# Altium PCB balenaFin_v1_x_x.PcbDoc (part 1 of 7) (continued)
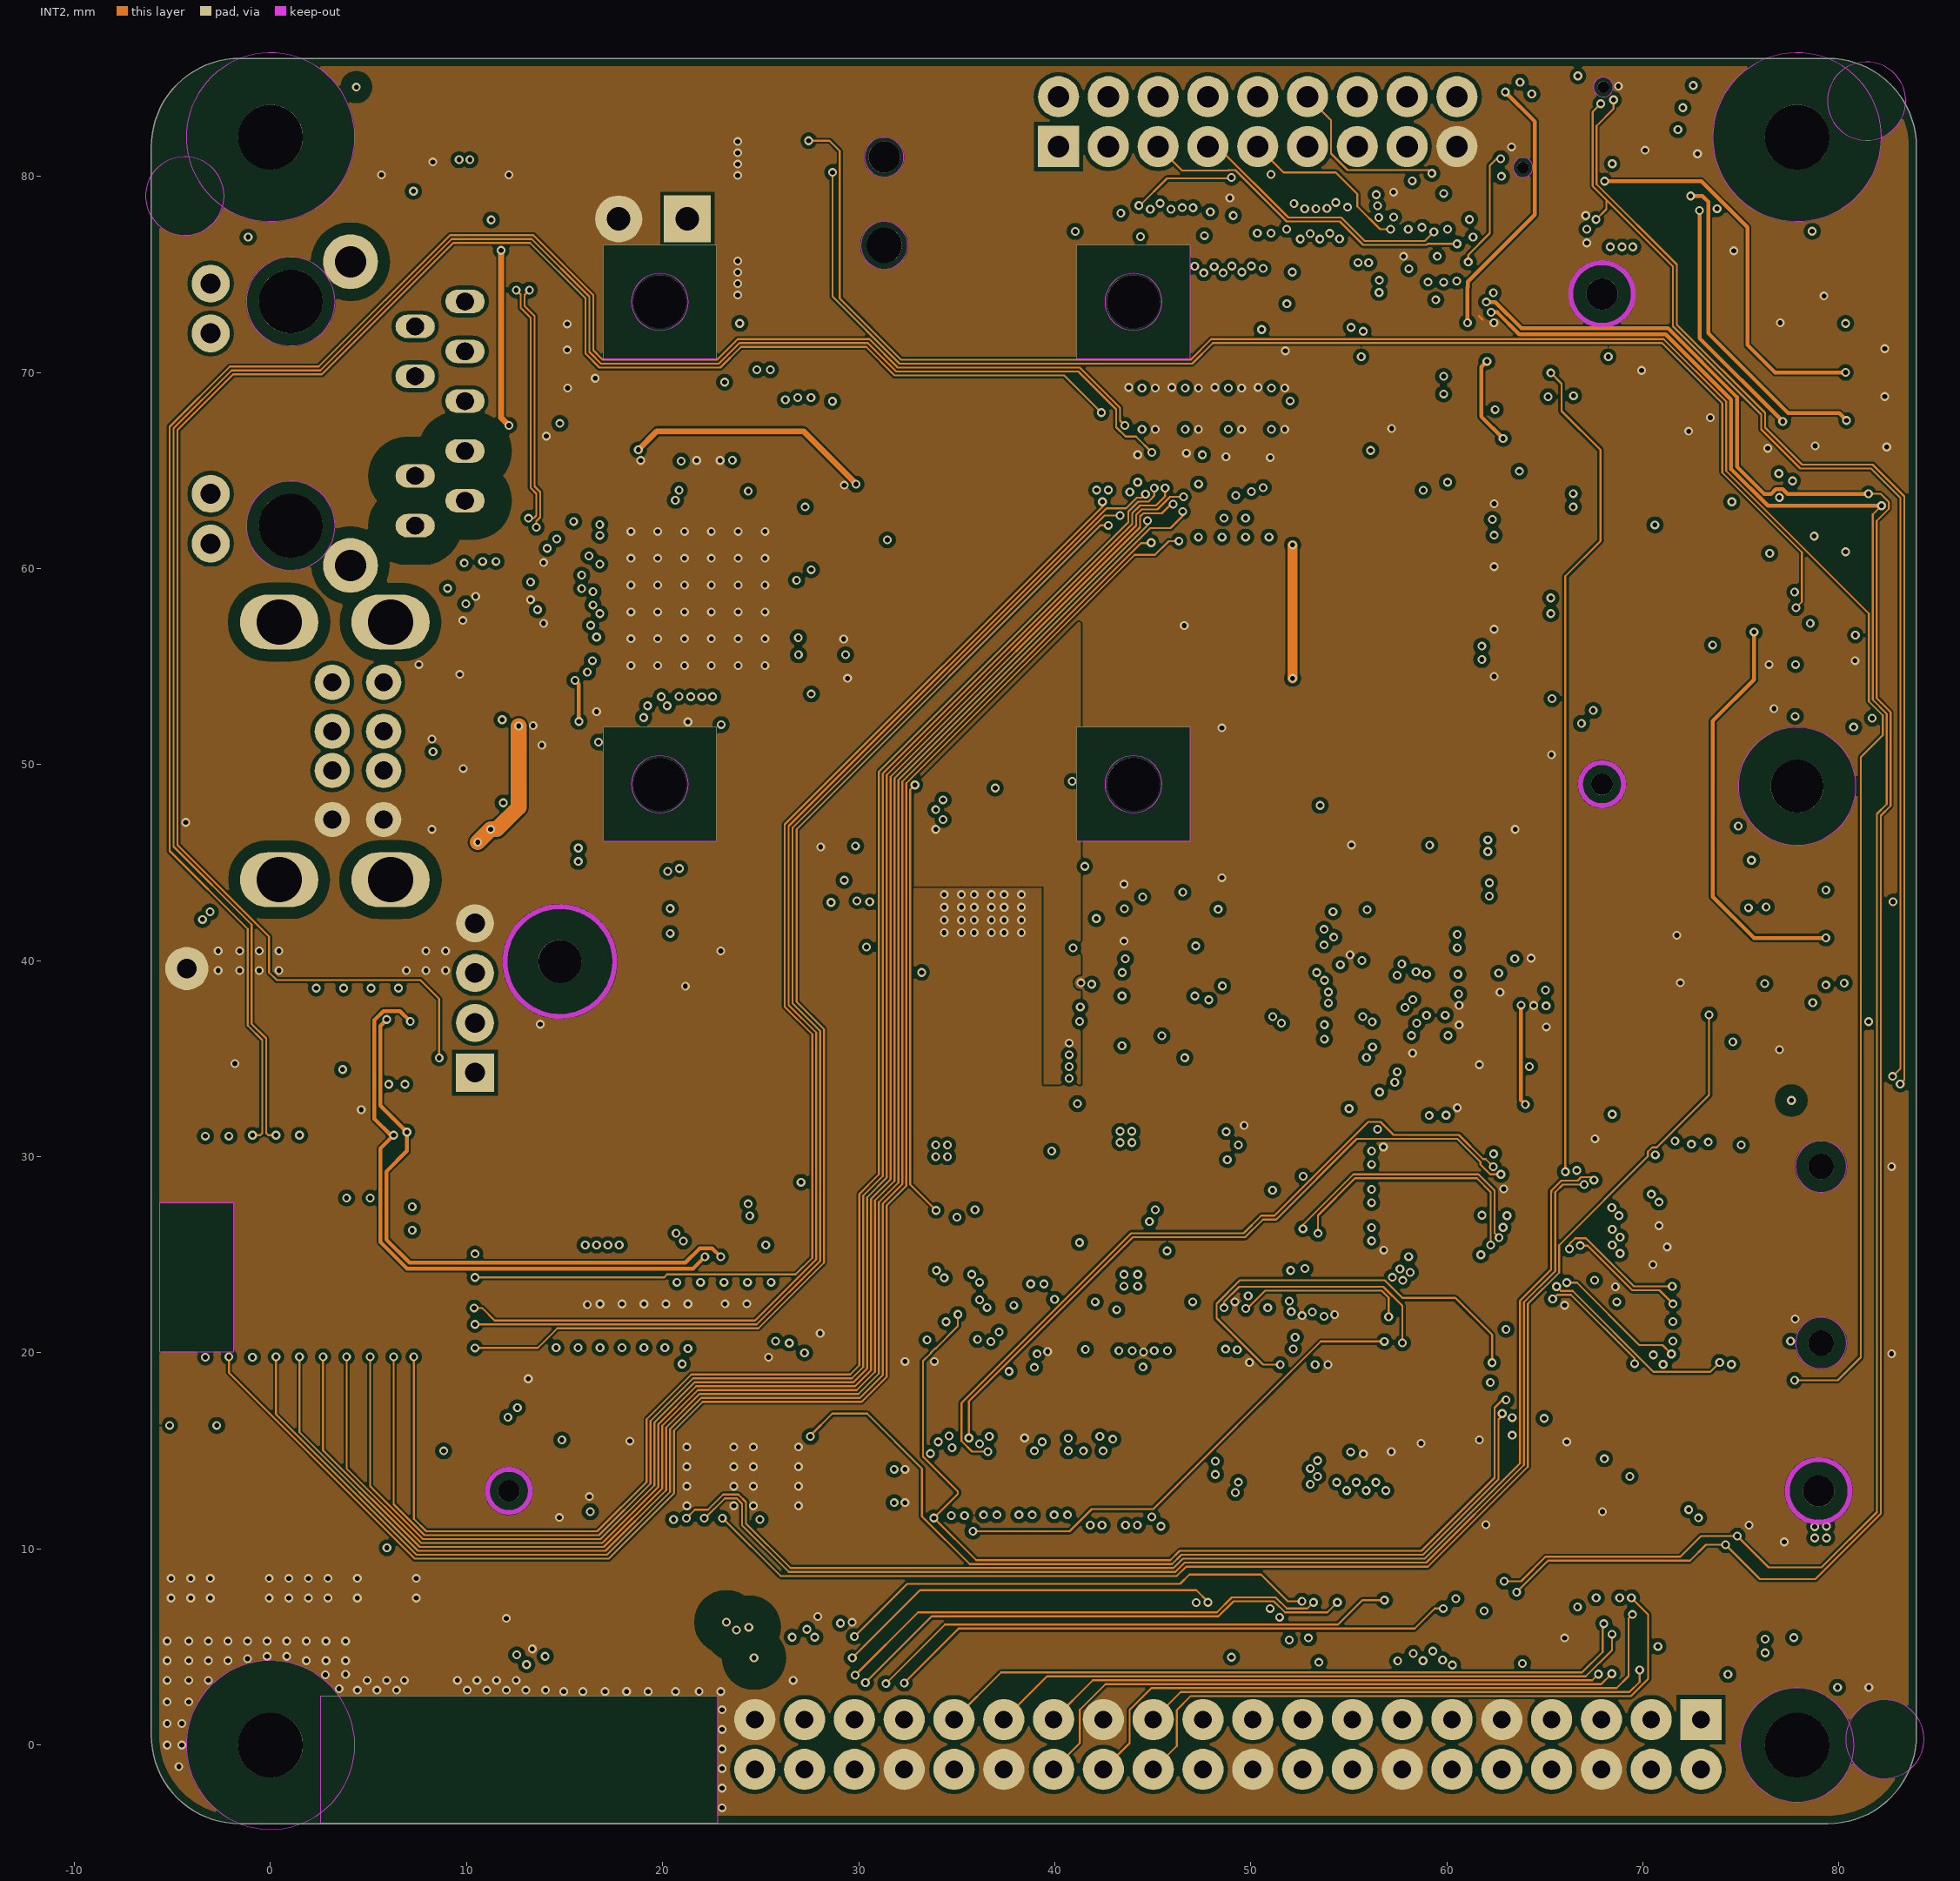
[diagram p4: INT2]
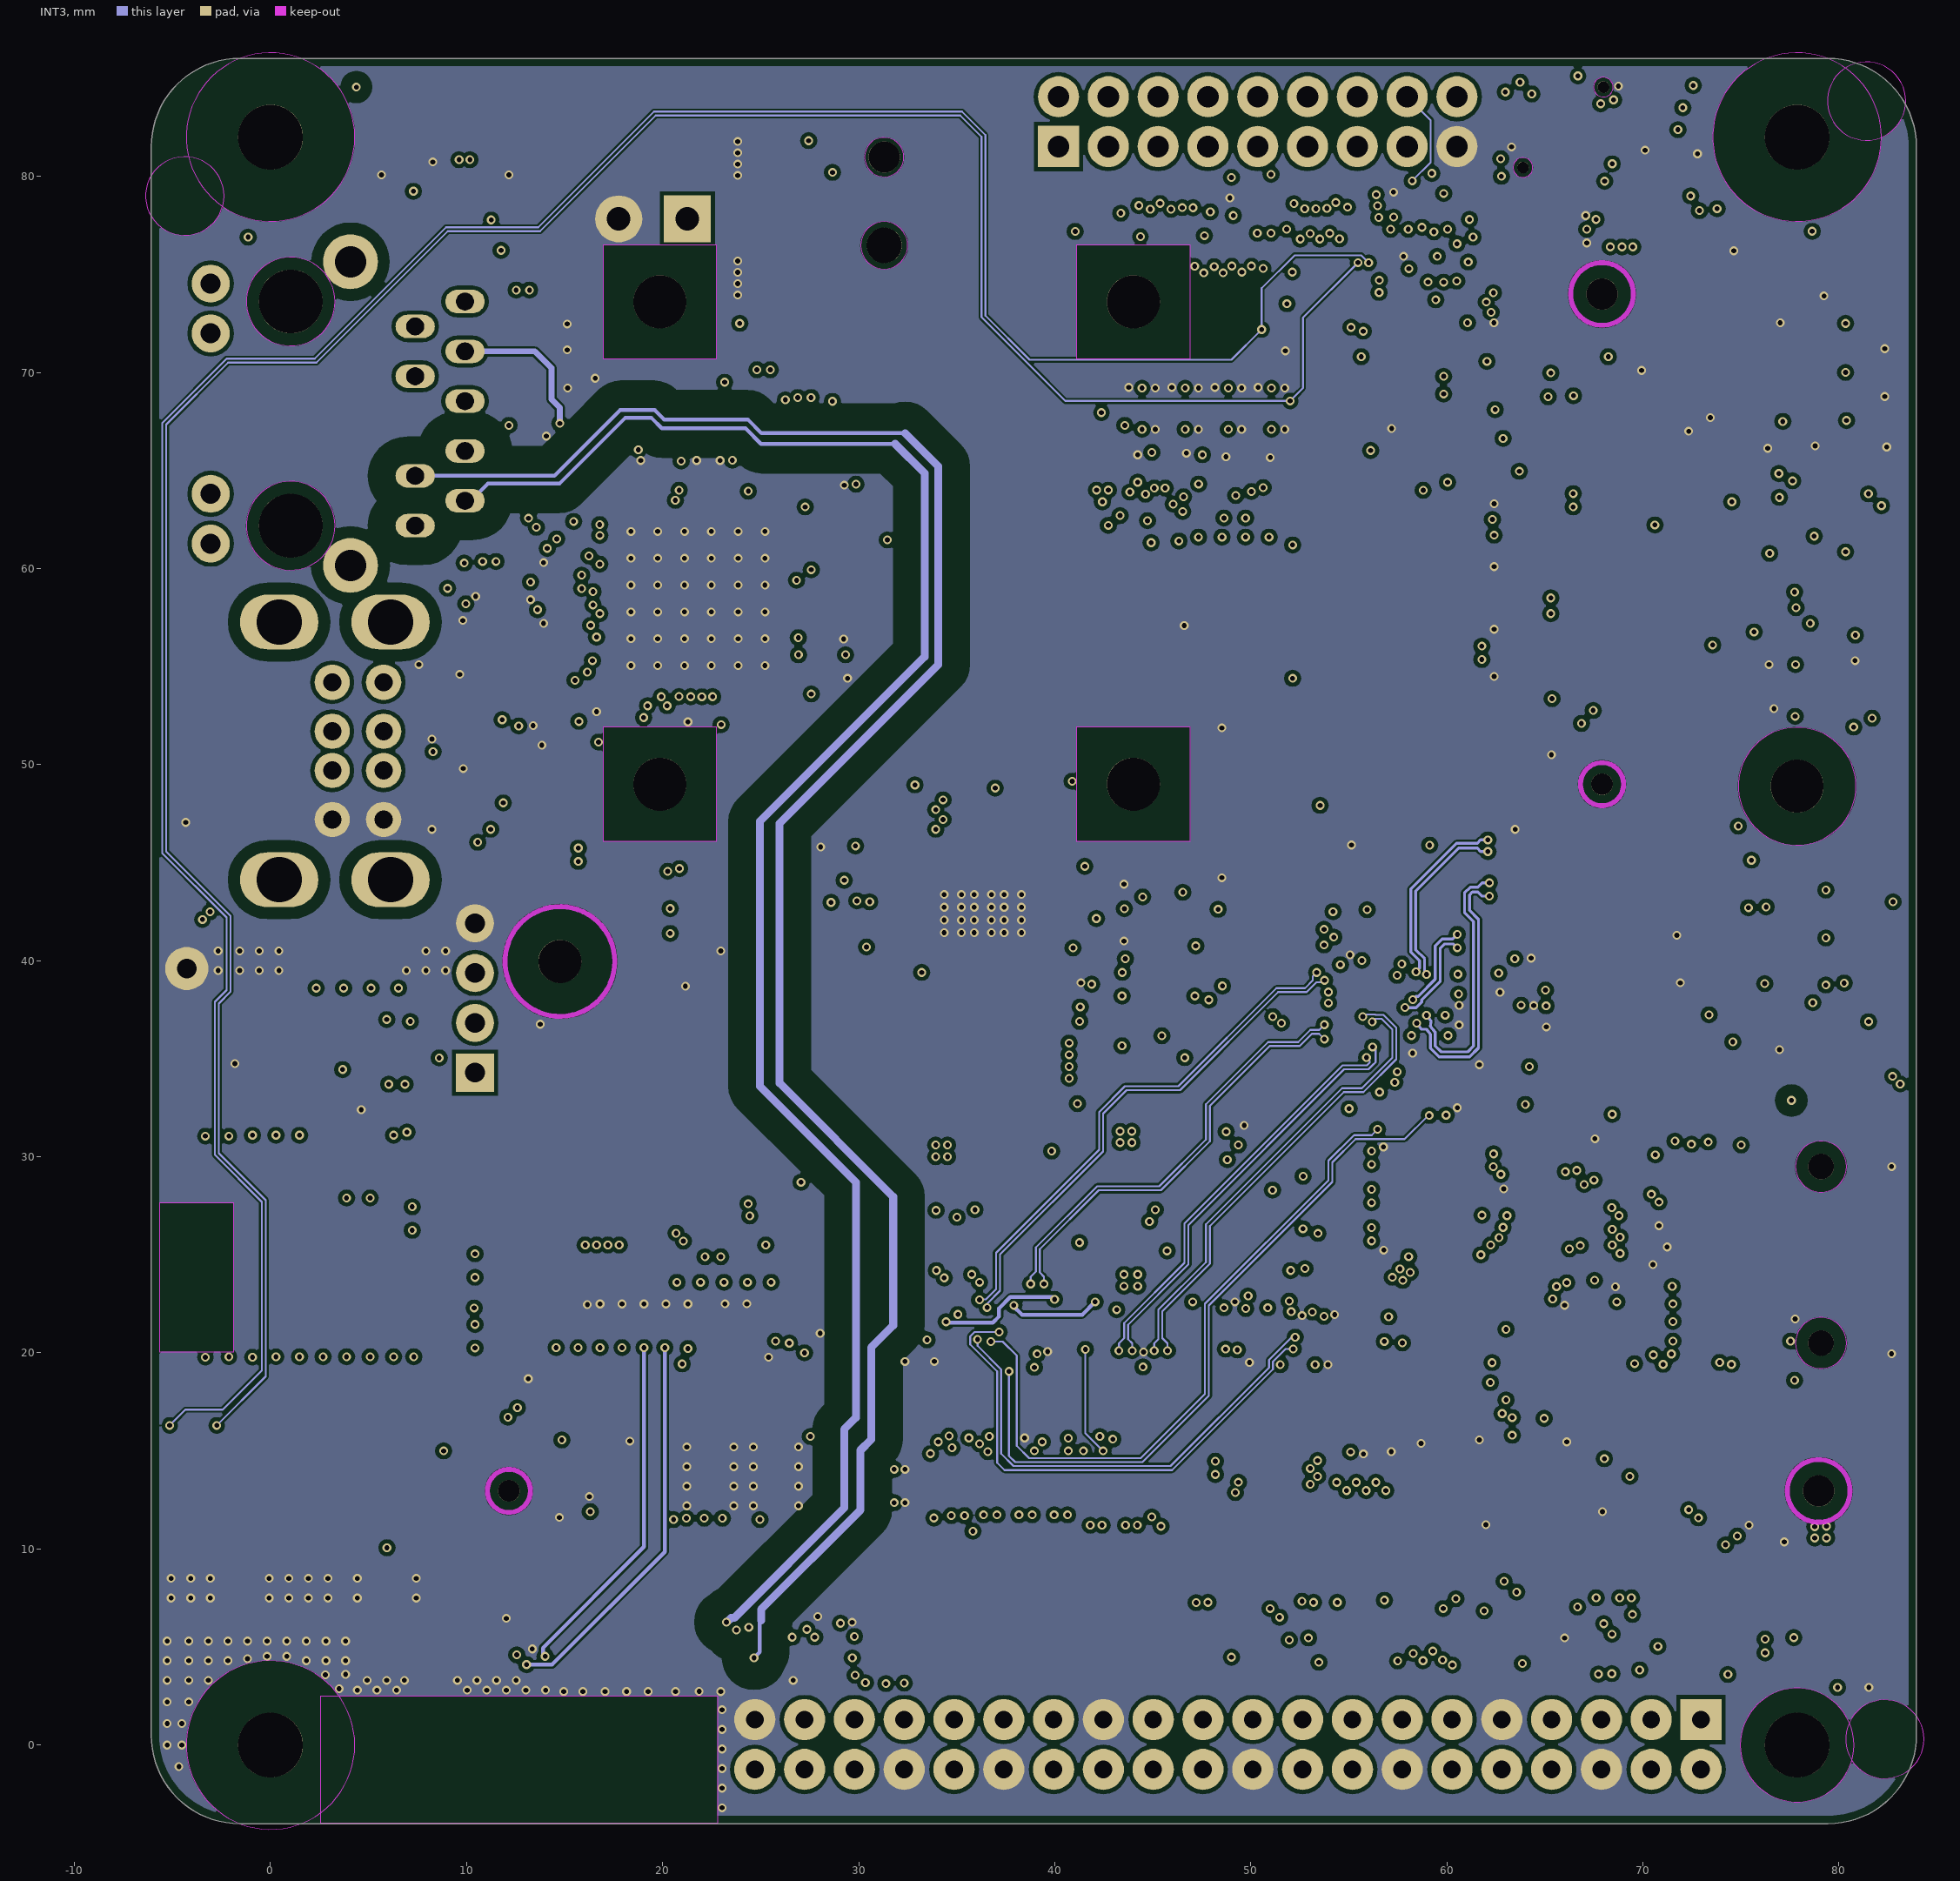
[diagram p5: INT3]
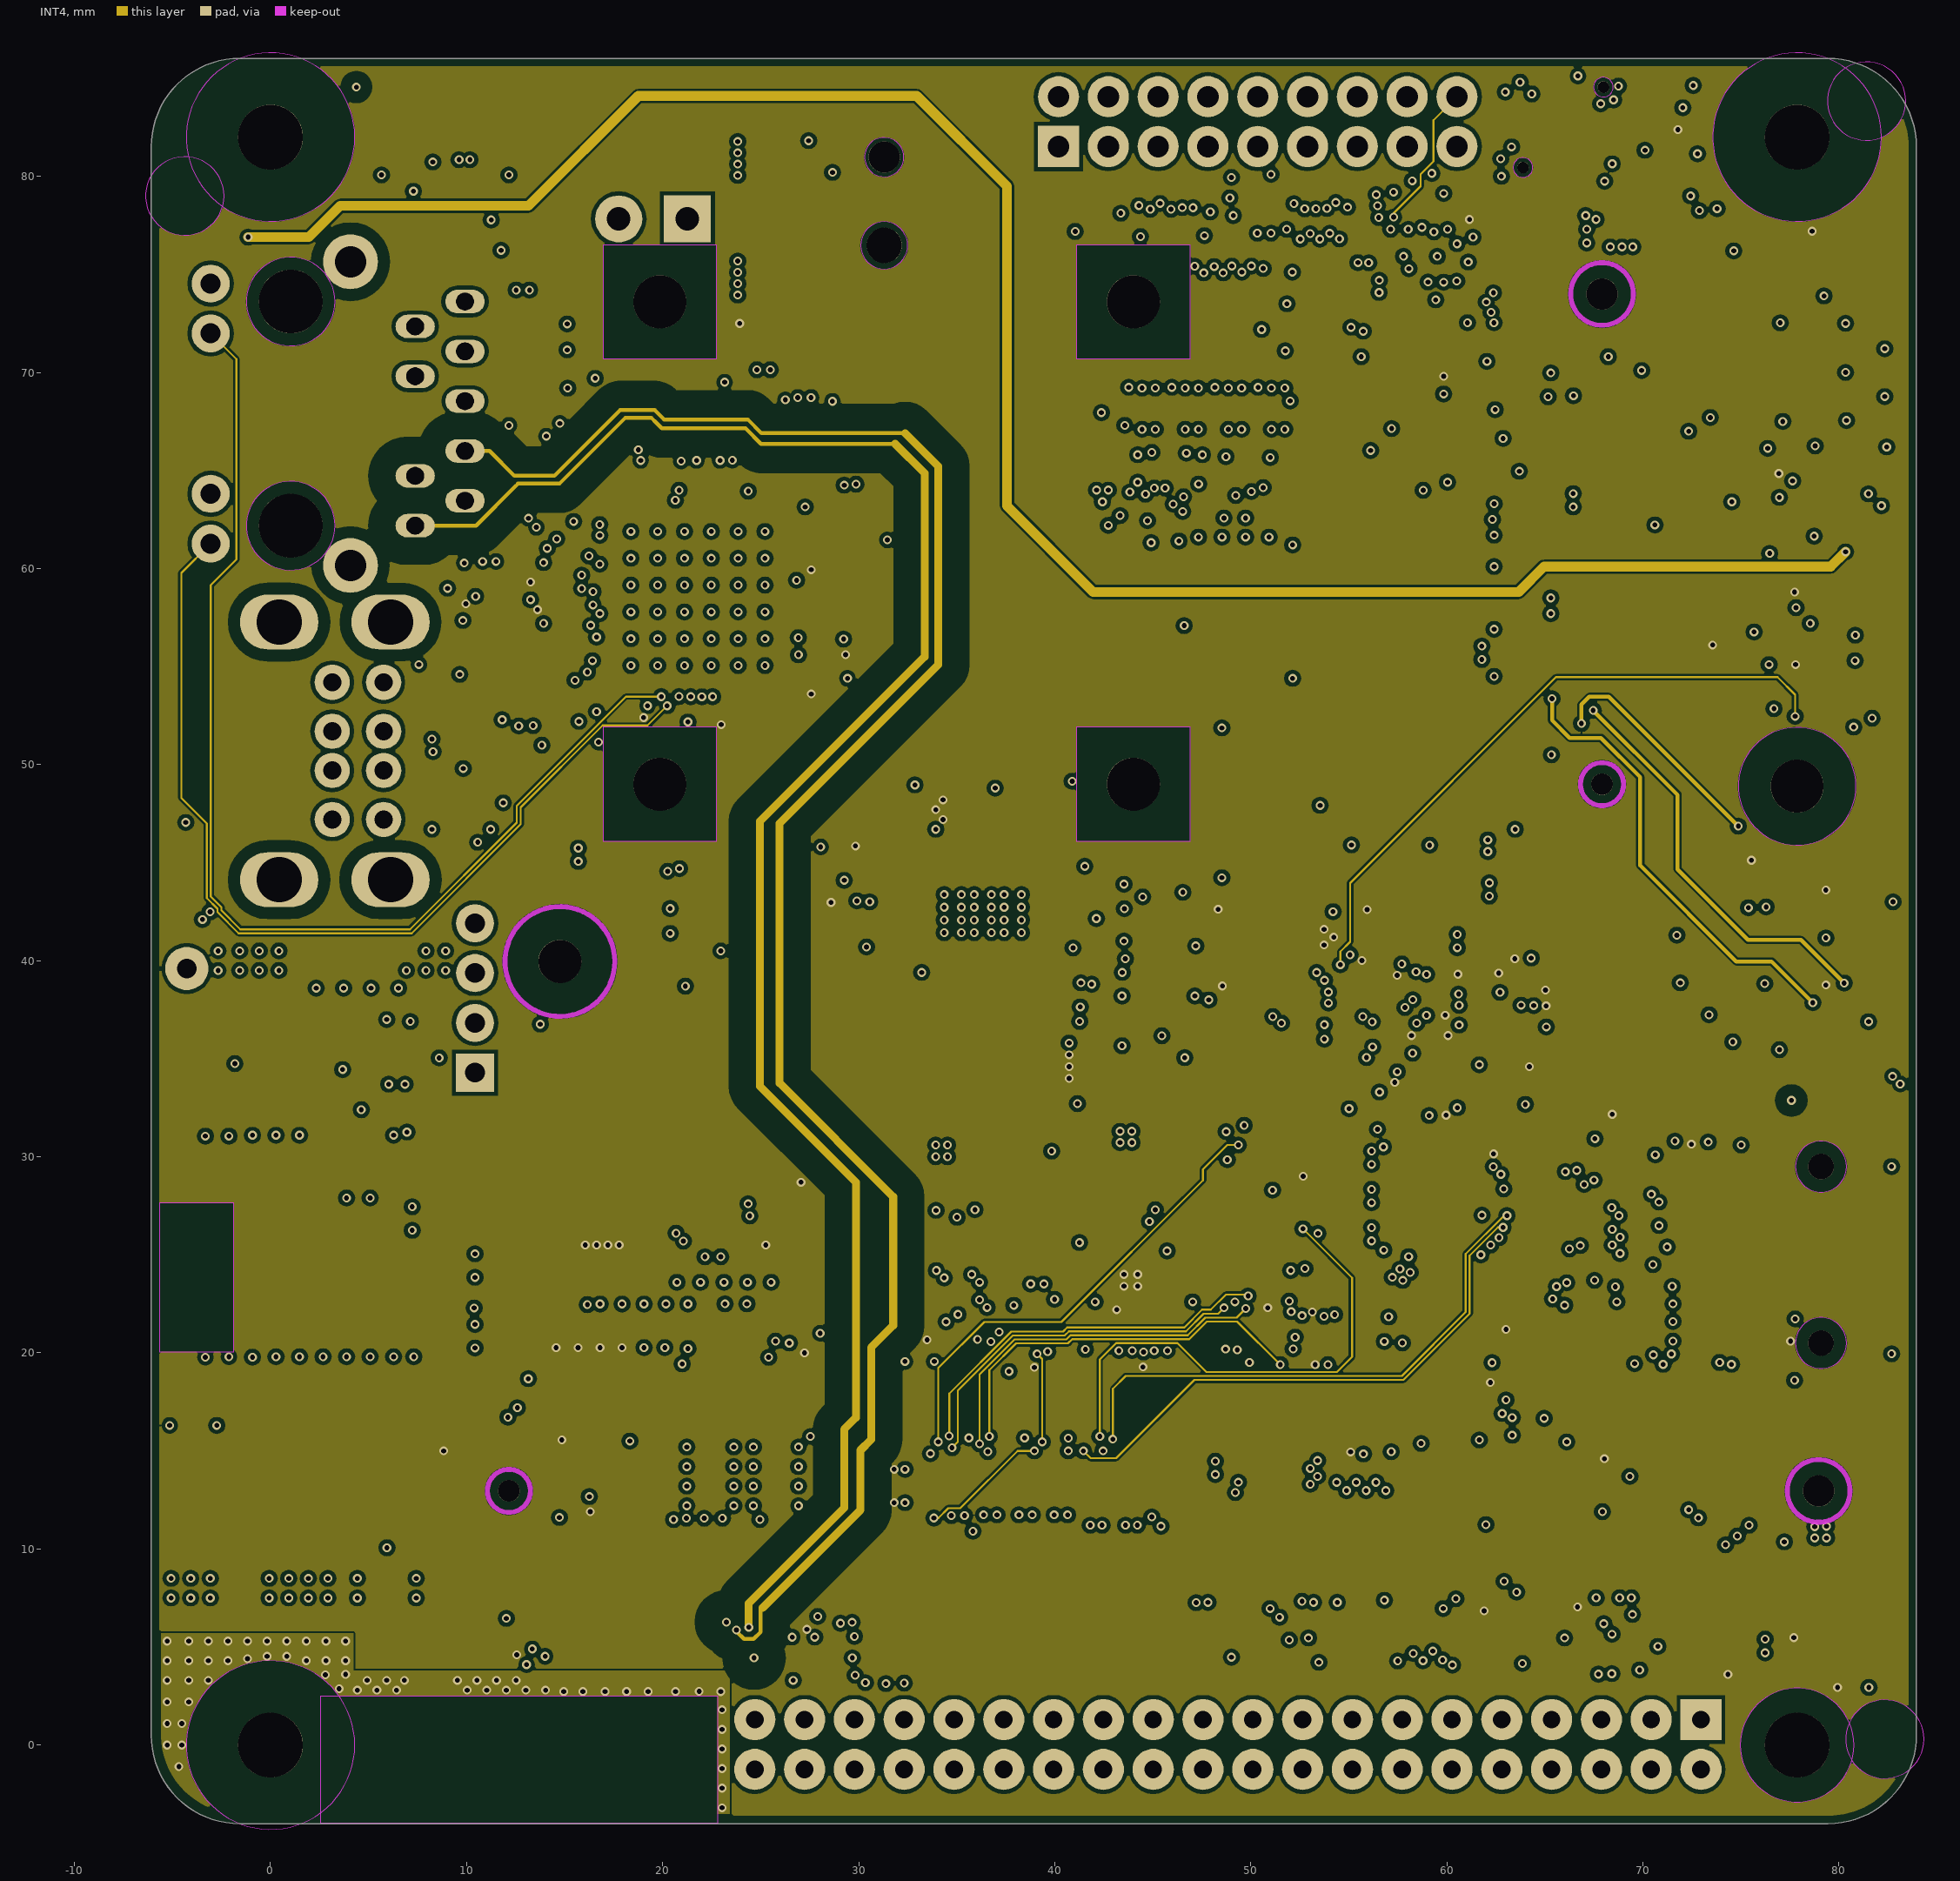
[diagram p6: INT4]